# Altium PCB 智能马桶综合检测台V1.0.PcbDoc (part 8 of 10)
Units mil, origin at the board's own origin, x right, y up, seen from the top; angles counter-clockwise.
Board outline 8070.87 x 6102.36 mil, 2 copper layers (Top Layer, Bottom Layer); 199 components, 169 nets, 738 pads, 77 vias.
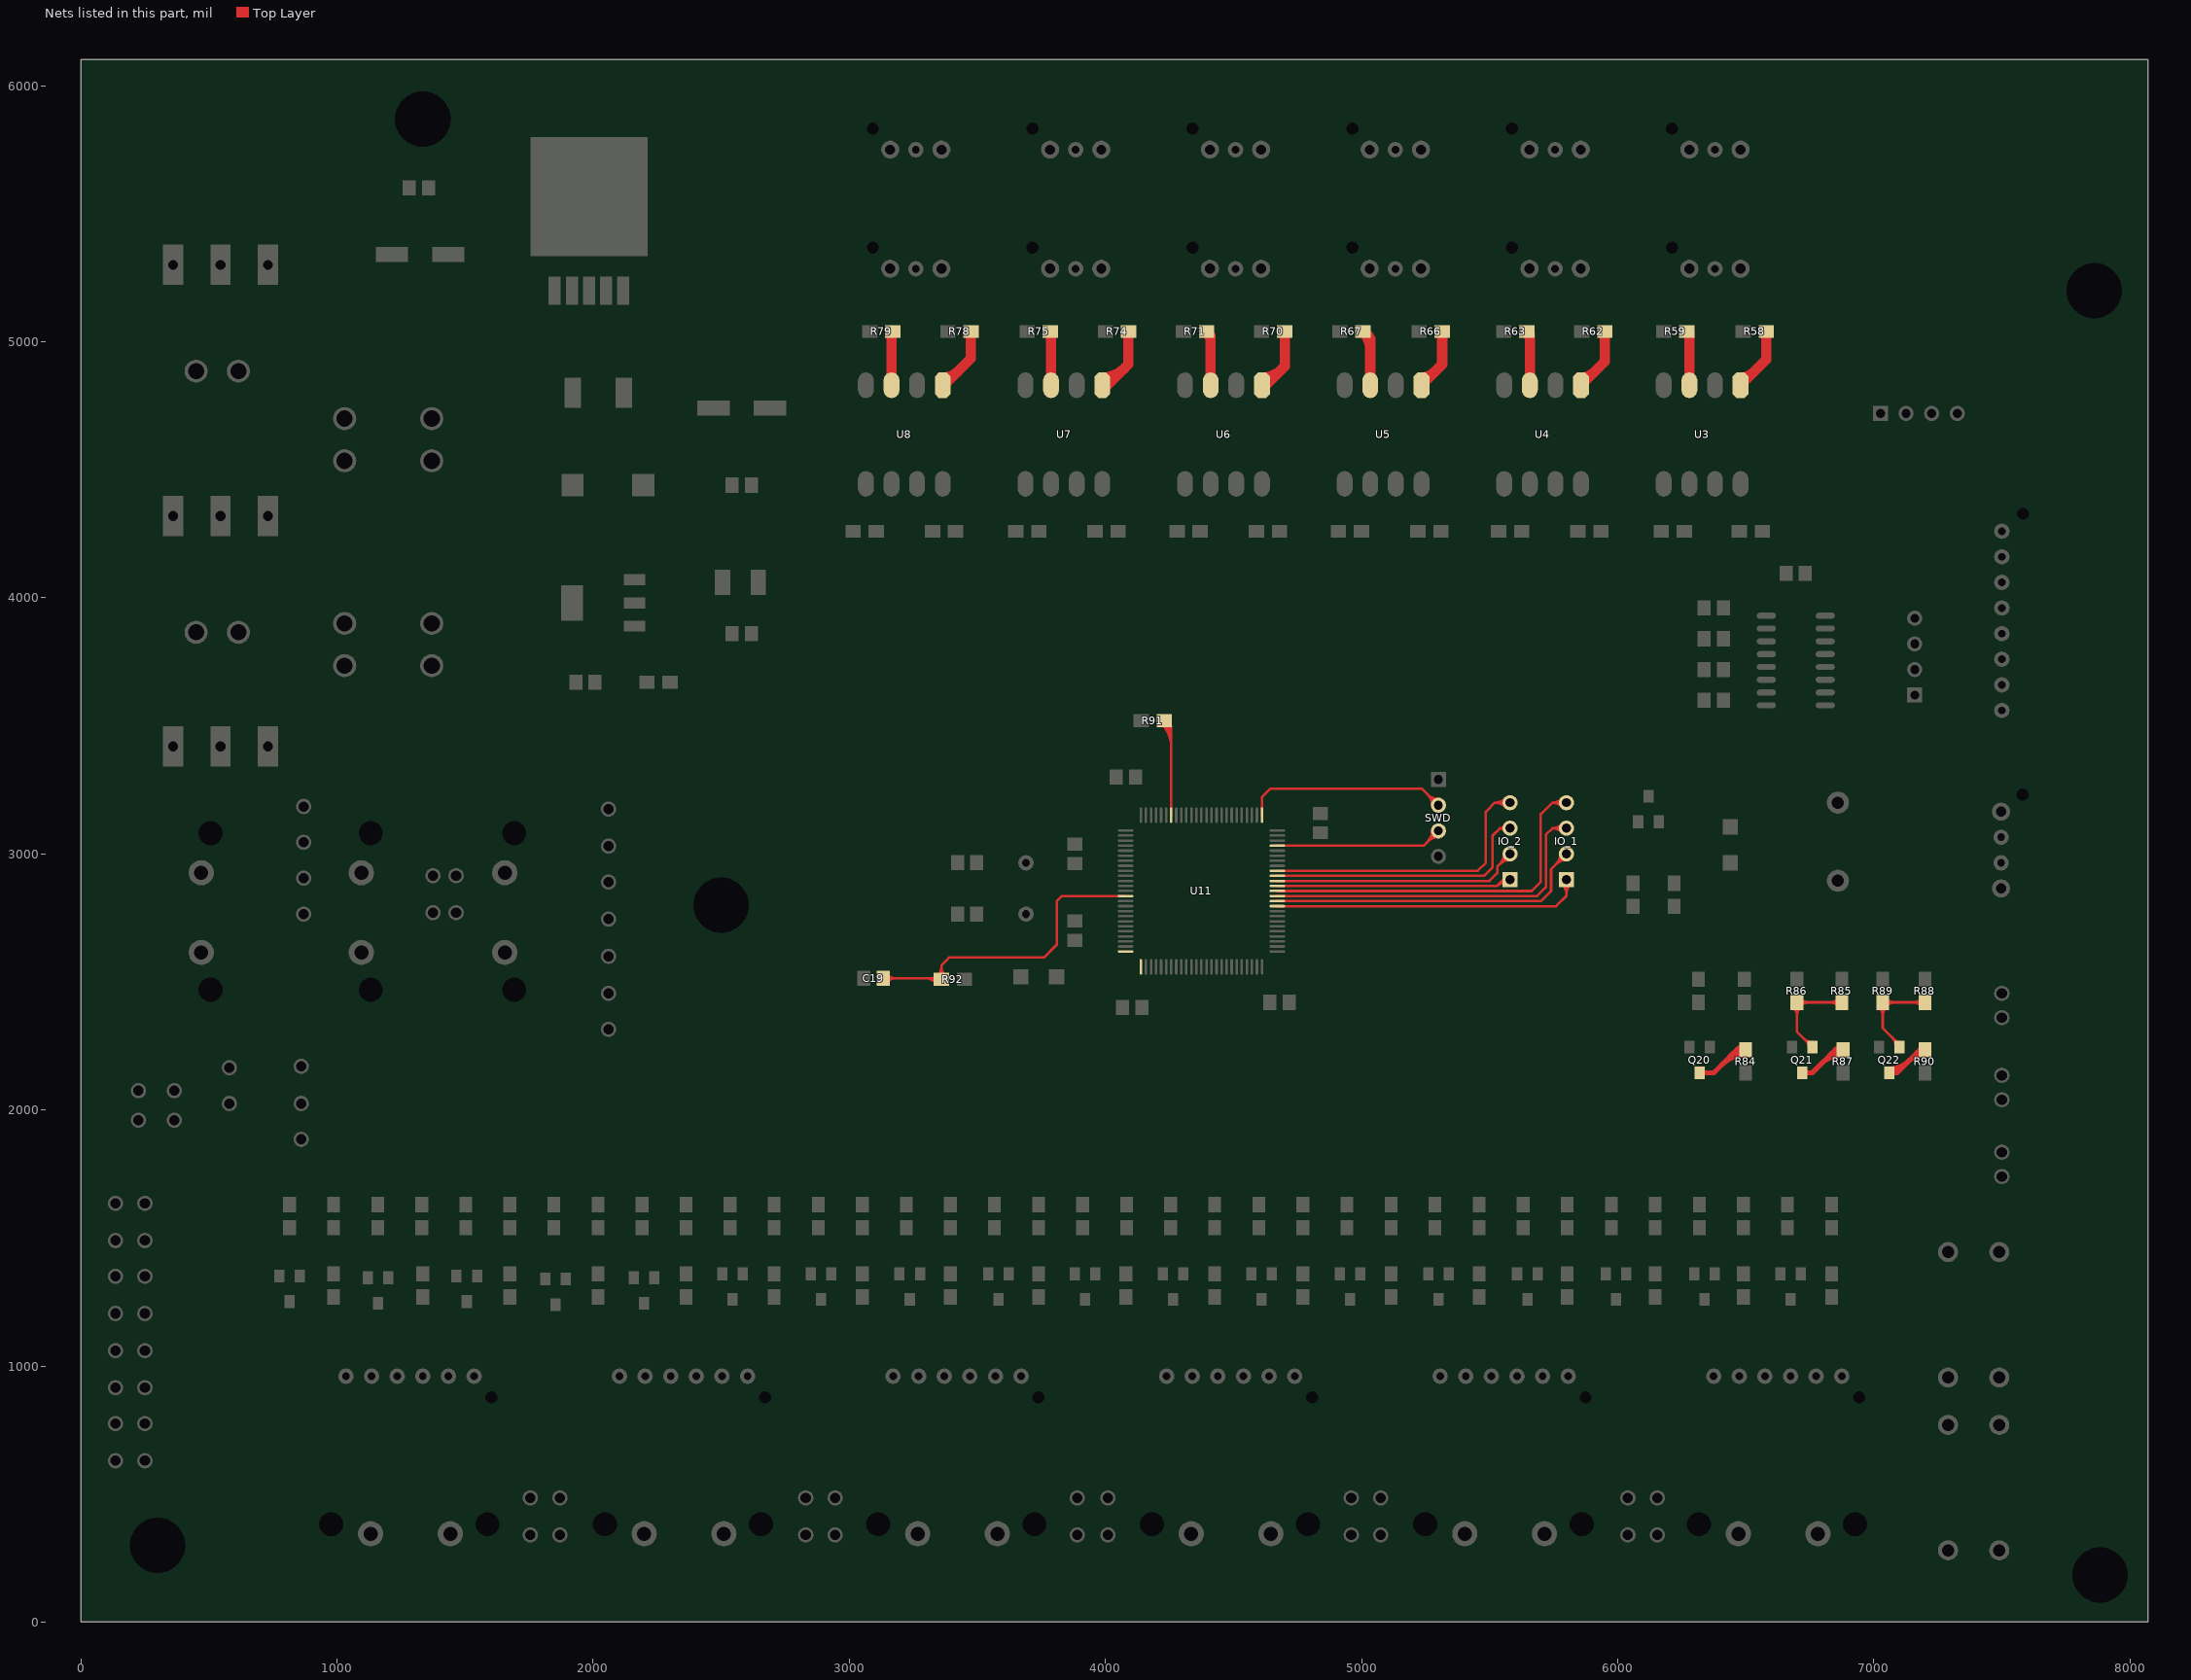
[diagram p8: the nets of this part, all layers, seen from the top]

## Via types
v1: diameter 40, hole 20, Top Layer to Bottom Layer, 68 vias
v2: diameter 50, hole 25, Top Layer to Bottom Layer, 9 vias

## Nets (pads, with @x,y where several pads share a name; then routed paths per layer and width w, separated by ;. In a path a pad name is that pad's centre, name@x,y a point inside that pad or via, vN(x,y) a via of type N, cw(c..) or ccw(c..) an arc to the next point about the centre after c; other vN are vias at no path point) (continued)
NetQ20_3: Q20.3 R84.2 | length 2327.5
  Top Layer w20: Q20.3@6320,2145 6375,2145 6465,2235 ; Q20.3@6327.07,2137.93 cw(c6344.14,2120.86) 6344.14,2145 ; Q20.3@6327.07,2137.93 cw(c6344.14,2120.86) 6344.14,2145 ; Q20.3@6327.07,2137.93 cw(c6344.14,2120.86) 6344.14,2145 ; Q20.3@6327.07,2137.93 cw(c6344.14,2120.86) 6344.14,2145 ; Q20.3@6327.07,2137.93 cw(c6344.14,2120.86) 6344.14,2145 ; Q20.3@6327.07,2137.93 cw(c6344.14,2120.86) 6344.14,2145 ; Q20.3@6327.07,2152.07 ccw(c6344.14,2169.14) 6344.14,2145 ; Q20.3@6327.07,2152.07 ccw(c6344.14,2169.14) 6344.14,2145 ; Q20.3@6327.07,2152.07 ccw(c6344.14,2169.14) 6344.14,2145 ; Q20.3@6327.07,2152.07 ccw(c6344.14,2169.14) 6344.14,2145 ; Q20.3@6327.07,2152.07 ccw(c6344.14,2169.14) 6344.14,2145 ; Q20.3@6327.07,2152.07 ccw(c6344.14,2169.14) 6344.14,2145 ; 6406.11,2176.11 cw(c6500,2082.22) R84.2@6500,2215 ; 6406.11,2176.11 cw(c6500,2082.22) R84.2@6500,2215 ; 6406.11,2176.11 cw(c6500,2082.22) R84.2@6500,2215 ; 6406.11,2176.11 cw(c6500,2082.22) R84.2@6500,2215 ; 6406.11,2176.11 cw(c6500,2082.22) R84.2@6500,2215 ; 6406.11,2176.11 cw(c6500,2082.22) R84.2@6500,2215 ; 6440.25,2210.25 cw(c6500,2150.5) R84.2@6500,2235 ; 6440.25,2210.25 cw(c6500,2150.5) R84.2@6500,2235 ; 6440.25,2210.25 cw(c6500,2150.5) R84.2@6500,2235 ; 6440.25,2210.25 cw(c6500,2150.5) R84.2@6500,2235 ; 6440.25,2210.25 cw(c6500,2150.5) R84.2@6500,2235 ; 6440.25,2210.25 cw(c6500,2150.5) R84.2@6500,2235 ; 6447.5,2217.5 cw(c6472.74,2192.26) R84.2@6491.93,2222.35 ; 6447.5,2217.5 cw(c6472.74,2192.26) R84.2@6491.93,2222.35 ; 6447.5,2217.5 cw(c6472.74,2192.26) R84.2@6491.93,2222.35 ; 6447.5,2217.5 cw(c6472.74,2192.26) R84.2@6491.93,2222.35 ; 6447.5,2217.5 cw(c6472.74,2192.26) R84.2@6491.93,2222.35 ; 6447.5,2217.5 cw(c6472.74,2192.26) R84.2@6491.93,2222.35 ; 6465,2235 cw(c6465,2201.67) R84.2@6489.14,2224.66 ; 6465,2235 ccw(c6465,2268.33) R84.2@6489.14,2245.34 ; 6465,2235 cw(c6465,2201.67) R84.2@6489.14,2224.66 ; 6465,2235 ccw(c6465,2268.33) R84.2@6489.14,2245.34 ; 6465,2235 cw(c6465,2201.67) R84.2@6489.14,2224.66 ; 6465,2235 ccw(c6465,2268.33) R84.2@6489.14,2245.34 ; 6465,2235 cw(c6465,2201.67) R84.2@6489.14,2224.66 ; 6465,2235 ccw(c6465,2268.33) R84.2@6489.14,2245.34 ; 6465,2235 cw(c6465,2201.67) R84.2@6489.14,2224.66 ; 6465,2235 ccw(c6465,2268.33) R84.2@6489.14,2245.34 ; 6465,2235 ccw(c6465,2268.33) R84.2@6489.14,2245.34 ; 6465,2235 cw(c6465,2201.67) R84.2@6489.14,2224.66 ; 6465,2235 R84.2@6500,2235 ; 6465.11,2235.11 cw(c6486.46,2213.77) R84.2@6502.69,2239.22 ; 6465.11,2235.11 cw(c6486.46,2213.77) R84.2@6502.69,2239.22 ; 6465.11,2235.11 cw(c6486.46,2213.77) R84.2@6502.69,2239.22 ; 6465.11,2235.11 cw(c6486.46,2213.77) R84.2@6502.69,2239.22 ; 6465.11,2235.11 cw(c6486.46,2213.77) R84.2@6502.69,2239.22 ; 6465.11,2235.11 cw(c6486.46,2213.77) R84.2@6502.69,2239.22
NetQ21_1: Q21.1 R85.2 R86.1 | length 2043.4
  Top Layer w10: Q21.1@6760,2245 6700,2305 R86.1@6700,2420 R85.2@6875,2420 ; R86.1@6685.86,2400.86 cw(c6651.72,2366.72) 6700,2366.72 ; R86.1@6685.86,2400.86 cw(c6651.72,2366.72) 6700,2366.72 ; R86.1@6685.86,2400.86 cw(c6651.72,2366.72) 6700,2366.72 ; R86.1@6685.86,2400.86 cw(c6651.72,2366.72) 6700,2366.72 ; R86.1@6685.86,2400.86 cw(c6651.72,2366.72) 6700,2366.72 ; R86.1@6685.86,2400.86 cw(c6651.72,2366.72) 6700,2366.72 ; 6700,2366.72 cw(c6748.28,2366.72) R86.1@6714.14,2400.86 ; 6700,2366.72 cw(c6748.28,2366.72) R86.1@6714.14,2400.86 ; 6700,2366.72 cw(c6748.28,2366.72) R86.1@6714.14,2400.86 ; 6700,2366.72 cw(c6748.28,2366.72) R86.1@6714.14,2400.86 ; 6700,2366.72 cw(c6748.28,2366.72) R86.1@6714.14,2400.86 ; 6700,2366.72 cw(c6748.28,2366.72) R86.1@6714.14,2400.86 ; R86.1@6714.14,2405.86 cw(c6748.28,2371.72) 6748.28,2420 ; R86.1@6714.14,2405.86 cw(c6748.28,2371.72) 6748.28,2420 ; R86.1@6714.14,2405.86 cw(c6748.28,2371.72) 6748.28,2420 ; R86.1@6714.14,2405.86 cw(c6748.28,2371.72) 6748.28,2420 ; R86.1@6714.14,2405.86 cw(c6748.28,2371.72) 6748.28,2420 ; R86.1@6714.14,2405.86 cw(c6748.28,2371.72) 6748.28,2420 ; R86.1@6714.14,2434.14 ccw(c6748.28,2468.28) 6748.28,2420 ; R86.1@6714.14,2434.14 ccw(c6748.28,2468.28) 6748.28,2420 ; R86.1@6714.14,2434.14 ccw(c6748.28,2468.28) 6748.28,2420 ; R86.1@6714.14,2434.14 ccw(c6748.28,2468.28) 6748.28,2420 ; R86.1@6714.14,2434.14 ccw(c6748.28,2468.28) 6748.28,2420 ; R86.1@6714.14,2434.14 ccw(c6748.28,2468.28) 6748.28,2420 ; 6725.86,2279.14 ccw(c6760,2313.28) Q21.1@6760,2265 ; 6725.86,2279.14 ccw(c6760,2313.28) Q21.1@6760,2265 ; 6725.86,2279.14 ccw(c6760,2313.28) Q21.1@6760,2265 ; 6725.86,2279.14 ccw(c6760,2313.28) Q21.1@6760,2265 ; 6737.93,2267.07 cw(c6720.86,2250) Q21.1@6745,2250 ; 6737.93,2267.07 cw(c6720.86,2250) Q21.1@6745,2250 ; 6737.93,2267.07 cw(c6720.86,2250) Q21.1@6745,2250 ; 6737.93,2267.07 cw(c6720.86,2250) Q21.1@6745,2250 ; Q21.1@6742.93,2262.07 ccw(c6760,2279.14) Q21.1@6760,2255 ; Q21.1@6742.93,2262.07 ccw(c6760,2279.14) Q21.1@6760,2255 ; Q21.1@6742.93,2262.07 ccw(c6760,2279.14) Q21.1@6760,2255 ; Q21.1@6742.93,2262.07 ccw(c6760,2279.14) Q21.1@6760,2255 ; 6826.72,2420 cw(c6826.72,2371.72) R85.2@6860.86,2405.86 ; 6826.72,2420 ccw(c6826.72,2468.28) R85.2@6860.86,2434.14 ; 6826.72,2420 cw(c6826.72,2371.72) R85.2@6860.86,2405.86 ; 6826.72,2420 ccw(c6826.72,2468.28) R85.2@6860.86,2434.14 ; 6826.72,2420 cw(c6826.72,2371.72) R85.2@6860.86,2405.86 ; 6826.72,2420 ccw(c6826.72,2468.28) R85.2@6860.86,2434.14 ; 6826.72,2420 cw(c6826.72,2371.72) R85.2@6860.86,2405.86 ; 6826.72,2420 ccw(c6826.72,2468.28) R85.2@6860.86,2434.14 ; 6826.72,2420 cw(c6826.72,2371.72) R85.2@6860.86,2405.86 ; 6826.72,2420 ccw(c6826.72,2468.28) R85.2@6860.86,2434.14 ; 6826.72,2420 ccw(c6826.72,2468.28) R85.2@6860.86,2434.14 ; 6826.72,2420 cw(c6826.72,2371.72) R85.2@6860.86,2405.86
NetQ21_3: Q21.3 R87.2 | length 2027.8
  Top Layer w20: Q21.3@6720,2145 6760,2145 6850,2235 ; Q21.3@6727.07,2137.93 cw(c6744.14,2120.86) 6744.14,2145 ; Q21.3@6727.07,2137.93 cw(c6744.14,2120.86) 6744.14,2145 ; Q21.3@6727.07,2137.93 cw(c6744.14,2120.86) 6744.14,2145 ; Q21.3@6727.07,2137.93 cw(c6744.14,2120.86) 6744.14,2145 ; Q21.3@6727.07,2137.93 cw(c6744.14,2120.86) 6744.14,2145 ; Q21.3@6727.07,2137.93 cw(c6744.14,2120.86) 6744.14,2145 ; Q21.3@6727.07,2152.07 ccw(c6744.14,2169.14) 6744.14,2145 ; Q21.3@6727.07,2152.07 ccw(c6744.14,2169.14) 6744.14,2145 ; Q21.3@6727.07,2152.07 ccw(c6744.14,2169.14) 6744.14,2145 ; Q21.3@6727.07,2152.07 ccw(c6744.14,2169.14) 6744.14,2145 ; Q21.3@6727.07,2152.07 ccw(c6744.14,2169.14) 6744.14,2145 ; Q21.3@6727.07,2152.07 ccw(c6744.14,2169.14) 6744.14,2145 ; 6794.64,2179.64 cw(c6880,2094.29) R87.2@6880,2215 ; 6794.64,2179.64 cw(c6880,2094.29) R87.2@6880,2215 ; 6794.64,2179.64 cw(c6880,2094.29) R87.2@6880,2215 ; 6794.64,2179.64 cw(c6880,2094.29) R87.2@6880,2215 ; 6794.64,2179.64 cw(c6880,2094.29) R87.2@6880,2215 ; 6794.64,2179.64 cw(c6880,2094.29) R87.2@6880,2215 ; 6828.79,2213.79 cw(c6880,2162.57) R87.2@6880,2235 ; 6828.79,2213.79 cw(c6880,2162.57) R87.2@6880,2235 ; 6828.79,2213.79 cw(c6880,2162.57) R87.2@6880,2235 ; 6828.79,2213.79 cw(c6880,2162.57) R87.2@6880,2235 ; 6828.79,2213.79 cw(c6880,2162.57) R87.2@6880,2235 ; 6828.79,2213.79 cw(c6880,2162.57) R87.2@6880,2235 ; 6835,2220 cw(c6854.77,2200.23) R87.2@6871.19,2222.86 ; 6835,2220 cw(c6854.77,2200.23) R87.2@6871.19,2222.86 ; 6835,2220 cw(c6854.77,2200.23) R87.2@6871.19,2222.86 ; 6835,2220 cw(c6854.77,2200.23) R87.2@6871.19,2222.86 ; 6835,2220 cw(c6854.77,2200.23) R87.2@6871.19,2222.86 ; 6835,2220 cw(c6854.77,2200.23) R87.2@6871.19,2222.86 ; 6850,2235 cw(c6850,2212.5) R87.2@6868,2226 ; 6850,2235 ccw(c6850,2257.5) R87.2@6868,2244 ; 6850,2235 cw(c6850,2212.5) R87.2@6868,2226 ; 6850,2235 ccw(c6850,2257.5) R87.2@6868,2244 ; 6850,2235 cw(c6850,2212.5) R87.2@6868,2226 ; 6850,2235 ccw(c6850,2257.5) R87.2@6868,2244 ; 6850,2235 cw(c6850,2212.5) R87.2@6868,2226 ; 6850,2235 ccw(c6850,2257.5) R87.2@6868,2244 ; 6850,2235 cw(c6850,2212.5) R87.2@6868,2226 ; 6850,2235 ccw(c6850,2257.5) R87.2@6868,2244 ; 6850,2235 ccw(c6850,2257.5) R87.2@6868,2244 ; 6850,2235 cw(c6850,2212.5) R87.2@6868,2226 ; 6850,2235 R87.2@6880,2235 ; 6851.57,2236.57 cw(c6868.7,2219.43) R87.2@6882.94,2239.05 ; 6851.57,2236.57 cw(c6868.7,2219.43) R87.2@6882.94,2239.05 ; 6851.57,2236.57 cw(c6868.7,2219.43) R87.2@6882.94,2239.05 ; 6851.57,2236.57 cw(c6868.7,2219.43) R87.2@6882.94,2239.05 ; 6851.57,2236.57 cw(c6868.7,2219.43) R87.2@6882.94,2239.05 ; 6851.57,2236.57 cw(c6868.7,2219.43) R87.2@6882.94,2239.05
NetQ22_1: Q22.1 R88.2 R89.1 | length 2177.2
  Top Layer w10: Q22.1@7100,2255 7035,2320 R89.1@7035,2420 R88.2@7200,2420 ; R89.1@7020.86,2400.86 cw(c6986.72,2366.72) 7035,2366.72 ; R89.1@7020.86,2400.86 cw(c6986.72,2366.72) 7035,2366.72 ; R89.1@7020.86,2400.86 cw(c6986.72,2366.72) 7035,2366.72 ; R89.1@7020.86,2400.86 cw(c6986.72,2366.72) 7035,2366.72 ; R89.1@7020.86,2400.86 cw(c6986.72,2366.72) 7035,2366.72 ; R89.1@7020.86,2400.86 cw(c6986.72,2366.72) 7035,2366.72 ; 7035,2366.72 cw(c7083.28,2366.72) R89.1@7049.14,2400.86 ; 7035,2366.72 cw(c7083.28,2366.72) R89.1@7049.14,2400.86 ; 7035,2366.72 cw(c7083.28,2366.72) R89.1@7049.14,2400.86 ; 7035,2366.72 cw(c7083.28,2366.72) R89.1@7049.14,2400.86 ; 7035,2366.72 cw(c7083.28,2366.72) R89.1@7049.14,2400.86 ; 7035,2366.72 cw(c7083.28,2366.72) R89.1@7049.14,2400.86 ; R89.1@7049.14,2405.86 cw(c7083.28,2371.72) 7083.28,2420 ; R89.1@7049.14,2405.86 cw(c7083.28,2371.72) 7083.28,2420 ; R89.1@7049.14,2405.86 cw(c7083.28,2371.72) 7083.28,2420 ; R89.1@7049.14,2405.86 cw(c7083.28,2371.72) 7083.28,2420 ; R89.1@7049.14,2405.86 cw(c7083.28,2371.72) 7083.28,2420 ; R89.1@7049.14,2405.86 cw(c7083.28,2371.72) 7083.28,2420 ; R89.1@7049.14,2434.14 ccw(c7083.28,2468.28) 7083.28,2420 ; R89.1@7049.14,2434.14 ccw(c7083.28,2468.28) 7083.28,2420 ; R89.1@7049.14,2434.14 ccw(c7083.28,2468.28) 7083.28,2420 ; R89.1@7049.14,2434.14 ccw(c7083.28,2468.28) 7083.28,2420 ; R89.1@7049.14,2434.14 ccw(c7083.28,2468.28) 7083.28,2420 ; R89.1@7049.14,2434.14 ccw(c7083.28,2468.28) 7083.28,2420 ; 7070.86,2284.14 cw(c7036.72,2250) Q22.1@7085,2250 ; 7070.86,2284.14 cw(c7036.72,2250) Q22.1@7085,2250 ; 7070.86,2284.14 cw(c7036.72,2250) Q22.1@7085,2250 ; 7070.86,2284.14 cw(c7036.72,2250) Q22.1@7085,2250 ; 7070.86,2284.14 cw(c7036.72,2250) Q22.1@7085,2250 ; 7070.86,2284.14 cw(c7036.72,2250) Q22.1@7085,2250 ; 7082.93,2272.07 ccw(c7100,2289.14) Q22.1@7100,2265 ; 7082.93,2272.07 ccw(c7100,2289.14) Q22.1@7100,2265 ; 7082.93,2272.07 ccw(c7100,2289.14) Q22.1@7100,2265 ; 7082.93,2272.07 ccw(c7100,2289.14) Q22.1@7100,2265 ; 7082.93,2272.07 ccw(c7100,2289.14) Q22.1@7100,2265 ; 7082.93,2272.07 ccw(c7100,2289.14) Q22.1@7100,2265 ; Q22.1@7087.93,2267.07 cw(c7070.86,2250) Q22.1@7095,2250 ; Q22.1@7087.93,2267.07 cw(c7070.86,2250) Q22.1@7095,2250 ; Q22.1@7087.93,2267.07 cw(c7070.86,2250) Q22.1@7095,2250 ; Q22.1@7087.93,2267.07 cw(c7070.86,2250) Q22.1@7095,2250 ; Q22.1@7087.93,2267.07 cw(c7070.86,2250) Q22.1@7095,2250 ; Q22.1@7087.93,2267.07 cw(c7070.86,2250) Q22.1@7095,2250 ; 7151.72,2420 cw(c7151.72,2371.72) R88.2@7185.86,2405.86 ; 7151.72,2420 ccw(c7151.72,2468.28) R88.2@7185.86,2434.14 ; 7151.72,2420 cw(c7151.72,2371.72) R88.2@7185.86,2405.86 ; 7151.72,2420 ccw(c7151.72,2468.28) R88.2@7185.86,2434.14 ; 7151.72,2420 cw(c7151.72,2371.72) R88.2@7185.86,2405.86 ; 7151.72,2420 ccw(c7151.72,2468.28) R88.2@7185.86,2434.14 ; 7151.72,2420 cw(c7151.72,2371.72) R88.2@7185.86,2405.86 ; 7151.72,2420 ccw(c7151.72,2468.28) R88.2@7185.86,2434.14 ; 7151.72,2420 cw(c7151.72,2371.72) R88.2@7185.86,2405.86 ; 7151.72,2420 ccw(c7151.72,2468.28) R88.2@7185.86,2434.14 ; 7151.72,2420 ccw(c7151.72,2468.28) R88.2@7185.86,2434.14 ; 7151.72,2420 cw(c7151.72,2371.72) R88.2@7185.86,2405.86
NetQ22_3: Q22.3 R90.2 | length 1390.8
  Top Layer w20: Q22.3@7060,2145 7090,2145 7180,2235 R90.2@7200,2235 ; Q22.3@7060,2140 ccw(c7060,2200.36) 7102.68,2157.68 ; Q22.3@7060,2140 ccw(c7060,2200.36) 7102.68,2157.68 ; Q22.3@7060,2140 ccw(c7060,2200.36) 7102.68,2157.68 ; Q22.3@7060,2140 ccw(c7060,2200.36) 7102.68,2157.68 ; Q22.3@7060,2160 ccw(c7060,2268.64) 7136.82,2191.82 ; Q22.3@7060,2160 ccw(c7060,2268.64) 7136.82,2191.82 ; Q22.3@7060,2160 ccw(c7060,2268.64) 7136.82,2191.82 ; Q22.3@7060,2160 ccw(c7060,2268.64) 7136.82,2191.82 ; Q22.3@7067.07,2137.93 cw(c7084.14,2120.86) 7084.14,2145 ; Q22.3@7067.07,2137.93 cw(c7084.14,2120.86) 7084.14,2145 ; Q22.3@7067.07,2137.93 cw(c7084.14,2120.86) 7084.14,2145 ; Q22.3@7067.07,2137.93 cw(c7084.14,2120.86) 7084.14,2145 ; Q22.3@7067.07,2137.93 cw(c7084.14,2120.86) 7084.14,2145 ; Q22.3@7067.07,2137.93 cw(c7084.14,2120.86) 7084.14,2145 ; Q22.3@7067.07,2152.07 ccw(c7084.14,2169.14) 7084.14,2145 ; Q22.3@7067.07,2152.07 ccw(c7084.14,2169.14) 7084.14,2145 ; Q22.3@7067.07,2152.07 ccw(c7084.14,2169.14) 7084.14,2145 ; Q22.3@7067.07,2152.07 ccw(c7084.14,2169.14) 7084.14,2145 ; Q22.3@7067.07,2152.07 ccw(c7084.14,2169.14) 7084.14,2145 ; Q22.3@7067.07,2152.07 ccw(c7084.14,2169.14) 7084.14,2145 ; 7131.72,2186.72 cw(c7200,2118.43) R90.2@7200,2215 ; 7131.72,2186.72 cw(c7200,2118.43) R90.2@7200,2215 ; 7131.72,2186.72 cw(c7200,2118.43) R90.2@7200,2215 ; 7131.72,2186.72 cw(c7200,2118.43) R90.2@7200,2215 ; 7165.86,2220.86 cw(c7200,2186.72) R90.2@7200,2235 ; 7165.86,2220.86 cw(c7200,2186.72) R90.2@7200,2235 ; 7165.86,2220.86 cw(c7200,2186.72) R90.2@7200,2235 ; 7165.86,2220.86 cw(c7200,2186.72) R90.2@7200,2235
NetR58_2: R58.2 U3.1 | length 592.7
  Top Layer w40: U3.1@6480,4830 6580,4930 R58.2@6580,5040 ; U3.1@6480,4860 ccw(c6480,4932.43) 6531.21,4881.21 ; U3.1@6480,4860 ccw(c6480,4932.43) 6531.21,4881.21 ; U3.1@6480,4860 ccw(c6480,4932.43) 6531.21,4881.21 ; U3.1@6480,4860 ccw(c6480,4932.43) 6531.21,4881.21 ; U3.1@6480,4860 ccw(c6480,4932.43) 6531.21,4881.21 ; U3.1@6480,4860 ccw(c6480,4932.43) 6531.21,4881.21
NetR59_2: R59.2 U3.3 | length 214.1
  Top Layer w40: R59.2@6270,5040 6280,5030 U3.3@6280,4830
NetR62_2: R62.2 U4.1 | length 589.8
  Top Layer w40: U4.1@5857,4830 5950,4923 R62.2@5950,5040 ; U4.1@5857,4860 ccw(c5857,4932.43) 5908.21,4881.21 ; U4.1@5857,4860 ccw(c5857,4932.43) 5908.21,4881.21 ; U4.1@5857,4860 ccw(c5857,4932.43) 5908.21,4881.21 ; U4.1@5857,4860 ccw(c5857,4932.43) 5908.21,4881.21 ; U4.1@5857,4860 ccw(c5857,4932.43) 5908.21,4881.21 ; U4.1@5857,4860 ccw(c5857,4932.43) 5908.21,4881.21
NetR63_2: R63.2 U4.3 | length 384.5
  Top Layer w40: R63.2@5645,5040 5657,5028 U4.3@5657,4830 ; R63.2@5646.46,5036.46 cw(c5621.03,5011.03) 5657,5011.03 ; R63.2@5646.46,5036.46 cw(c5621.03,5011.03) 5657,5011.03 ; R63.2@5646.46,5036.46 cw(c5621.03,5011.03) 5657,5011.03 ; R63.2@5646.46,5036.46 cw(c5621.03,5011.03) 5657,5011.03 ; R63.2@5646.46,5036.46 cw(c5621.03,5011.03) 5657,5011.03 ; R63.2@5646.46,5036.46 cw(c5621.03,5011.03) 5657,5011.03
NetR66_2: R66.2 U5.1 | length 584.9
  Top Layer w40: U5.1@5234,4830 5315,4911 R66.2@5315,5040 ; U5.1@5234,4860 ccw(c5234,4932.43) 5285.21,4881.21 ; U5.1@5234,4860 ccw(c5234,4932.43) 5285.21,4881.21 ; U5.1@5234,4860 ccw(c5234,4932.43) 5285.21,4881.21 ; U5.1@5234,4860 ccw(c5234,4932.43) 5285.21,4881.21 ; U5.1@5234,4860 ccw(c5234,4932.43) 5285.21,4881.21 ; U5.1@5234,4860 ccw(c5234,4932.43) 5285.21,4881.21
NetR67_2: R67.2 U5.3 | length 932.3
  Top Layer w40: R67.2@5005,5040 5034,5011 U5.3@5034,4830 ; R67.2@5006.46,5036.46 cw(c4939.99,4969.99) 5034,4969.99 ; R67.2@5006.46,5036.46 cw(c4939.99,4969.99) 5034,4969.99 ; R67.2@5006.46,5036.46 cw(c4939.99,4969.99) 5034,4969.99 ; R67.2@5006.46,5036.46 cw(c4939.99,4969.99) 5034,4969.99 ; R67.2@5006.46,5036.46 cw(c4939.99,4969.99) 5034,4969.99 ; R67.2@5006.46,5036.46 cw(c4939.99,4969.99) 5034,4969.99 ; R67.2@5008.72,5035.17 cw(c5000.07,5002.36) 5034,5002.36 ; R67.2@5008.72,5035.17 cw(c5000.07,5002.36) 5034,5002.36 ; R67.2@5008.72,5035.17 cw(c5000.07,5002.36) 5034,5002.36 ; R67.2@5008.72,5035.17 cw(c5000.07,5002.36) 5034,5002.36 ; R67.2@5008.72,5035.17 cw(c5000.07,5002.36) 5034,5002.36 ; R67.2@5008.72,5035.17 cw(c5000.07,5002.36) 5034,5002.36
NetR70_2: R70.2 U6.1 | length 752.6
  Top Layer w40: U6.1@4626,4830 4700,4904 R70.2@4700,5040 ; U6.1@4611,4860 ccw(c4611,4968.64) 4687.82,4891.82 ; U6.1@4611,4860 ccw(c4611,4968.64) 4687.82,4891.82 ; U6.1@4611,4860 ccw(c4611,4968.64) 4687.82,4891.82 ; U6.1@4611,4860 ccw(c4611,4968.64) 4687.82,4891.82 ; U6.1@4611,4860 ccw(c4611,4968.64) 4687.82,4891.82 ; U6.1@4611,4860 ccw(c4611,4968.64) 4687.82,4891.82
NetR71_2: R71.2 U6.3 | length 450.5
  Top Layer w40: R71.2@4395,5040 4411,5024 U6.3@4411,4830 ; R71.2@4396.46,5036.46 cw(c4361.37,5001.37) 4411,5001.37 ; R71.2@4396.46,5036.46 cw(c4361.37,5001.37) 4411,5001.37 ; R71.2@4396.46,5036.46 cw(c4361.37,5001.37) 4411,5001.37 ; R71.2@4396.46,5036.46 cw(c4361.37,5001.37) 4411,5001.37 ; R71.2@4396.46,5036.46 cw(c4361.37,5001.37) 4411,5001.37 ; R71.2@4396.46,5036.46 cw(c4361.37,5001.37) 4411,5001.37
NetR74_2: R74.2 U7.1 | length 832.8
  Top Layer w40: U7.1@3988,4830 4008,4830 4090,4912 R74.2@4090,5040 ; U7.1@3988,4860 ccw(c3988,4980.71) 4073.36,4895.36 ; U7.1@3988,4860 ccw(c3988,4980.71) 4073.36,4895.36 ; U7.1@3988,4860 ccw(c3988,4980.71) 4073.36,4895.36 ; U7.1@3988,4860 ccw(c3988,4980.71) 4073.36,4895.36 ; U7.1@3988,4860 ccw(c3988,4980.71) 4073.36,4895.36 ; U7.1@3988,4860 ccw(c3988,4980.71) 4073.36,4895.36
NetR75_2: R75.2 U7.3 | length 211.2
  Top Layer w40: R75.2@3785,5040 3788,5037 U7.3@3788,4830
NetR78_2: R78.2 U8.1 | length 656.7
  Top Layer w40: U8.1@3365,4830 3370,4830 3475,4935 R78.2@3475,5040 ; U8.1@3365,4860 ccw(c3365,4944.5) 3424.75,4884.75 ; U8.1@3365,4860 ccw(c3365,4944.5) 3424.75,4884.75 ; U8.1@3365,4860 ccw(c3365,4944.5) 3424.75,4884.75 ; U8.1@3365,4860 ccw(c3365,4944.5) 3424.75,4884.75 ; U8.1@3365,4860 ccw(c3365,4944.5) 3424.75,4884.75 ; U8.1@3365,4860 ccw(c3365,4944.5) 3424.75,4884.75
NetR79_2: R79.2 U8.3 | length 212.1
  Top Layer w40: U8.3@3165,4830 3165,5035 R79.2@3170,5040
NetR91_1: R91.1 U11.94 | length 1601.6
  Top Layer w10: R91.1@4230,3520 4256.89,3493.11 U11.94@4256.89,3151.26 ; R91.1@4220.86,3505.86 cw(c4133.87,3418.87) 4256.89,3418.87 ; R91.1@4220.86,3505.86 cw(c4133.87,3418.87) 4256.89,3418.87 ; R91.1@4220.86,3505.86 cw(c4133.87,3418.87) 4256.89,3418.87 ; R91.1@4220.86,3505.86 cw(c4133.87,3418.87) 4256.89,3418.87 ; R91.1@4227.93,3512.93 cw(c4158.01,3443.01) 4256.89,3443.01 ; R91.1@4227.93,3512.93 cw(c4158.01,3443.01) 4256.89,3443.01 ; R91.1@4227.93,3512.93 cw(c4158.01,3443.01) 4256.89,3443.01 ; R91.1@4227.93,3512.93 cw(c4158.01,3443.01) 4256.89,3443.01 ; R91.1@4235,3520 cw(c4182.15,3467.15) 4256.89,3467.15 ; R91.1@4235,3520 cw(c4182.15,3467.15) 4256.89,3467.15 ; R91.1@4235,3520 cw(c4182.15,3467.15) 4256.89,3467.15 ; R91.1@4235,3520 cw(c4182.15,3467.15) 4256.89,3467.15 ; R91.1@4238.82,3500.37 cw(c4242.13,3483.36) R91.1@4254.39,3495.61 ; R91.1@4238.82,3500.37 cw(c4242.13,3483.36) R91.1@4254.39,3495.61 ; R91.1@4238.82,3500.37 cw(c4242.13,3483.36) R91.1@4254.39,3495.61 ; R91.1@4238.82,3500.37 cw(c4242.13,3483.36) R91.1@4254.39,3495.61 ; R91.1@4242.07,3527.07 cw(c4206.3,3491.3) 4256.89,3491.3 ; R91.1@4242.07,3527.07 cw(c4206.3,3491.3) 4256.89,3491.3 ; R91.1@4242.07,3527.07 cw(c4206.3,3491.3) 4256.89,3491.3 ; R91.1@4242.07,3527.07 cw(c4206.3,3491.3) 4256.89,3491.3 ; R91.1@4252.41,3510.15 ccw(c4262.96,3504.18) R91.1@4254.39,3495.61 ; R91.1@4252.41,3510.15 ccw(c4262.96,3504.18) R91.1@4254.39,3495.61 ; R91.1@4252.41,3510.15 ccw(c4262.96,3504.18) R91.1@4254.39,3495.61 ; R91.1@4252.41,3510.15 ccw(c4262.96,3504.18) R91.1@4254.39,3495.61
NRST: C19.1 R92.1 U11.14 | length 2227.2
  Top Layer w10: C19.1@3132.4,2514.01 3355.99,2514.01 R92.1@3360,2510 3360,2565 3390,2595 3760,2595 3810,2645 3810,2815 3830.31,2835.32 U11.14@4078.74,2835.32 ; C19.1@3146.96,2499.45 cw(c3182.11,2464.3) 3182.11,2514.01 ; C19.1@3146.96,2499.45 cw(c3182.11,2464.3) 3182.11,2514.01 ; C19.1@3146.96,2499.45 cw(c3182.11,2464.3) 3182.11,2514.01 ; C19.1@3146.96,2499.45 cw(c3182.11,2464.3) 3182.11,2514.01 ; C19.1@3146.96,2499.45 cw(c3182.11,2464.3) 3182.11,2514.01 ; C19.1@3146.96,2499.45 cw(c3182.11,2464.3) 3182.11,2514.01 ; C19.1@3146.96,2528.57 ccw(c3182.11,2563.72) 3182.11,2514.01 ; C19.1@3146.96,2528.57 ccw(c3182.11,2563.72) 3182.11,2514.01 ; C19.1@3146.96,2528.57 ccw(c3182.11,2563.72) 3182.11,2514.01 ; C19.1@3146.96,2528.57 ccw(c3182.11,2563.72) 3182.11,2514.01 ; C19.1@3146.96,2528.57 ccw(c3182.11,2563.72) 3182.11,2514.01 ; C19.1@3146.96,2528.57 ccw(c3182.11,2563.72) 3182.11,2514.01 ; 3297.04,2514.01 cw(c3297.04,2452.04) R92.1@3340.86,2495.86 ; 3297.04,2514.01 cw(c3297.04,2452.04) R92.1@3340.86,2495.86 ; 3297.04,2514.01 cw(c3297.04,2452.04) R92.1@3340.86,2495.86 ; 3316.39,2514.01 ccw(c3316.39,2548.61) R92.1@3340.86,2524.14 ; 3316.39,2514.01 ccw(c3316.39,2548.61) R92.1@3340.86,2524.14 ; 3316.39,2514.01 ccw(c3316.39,2548.61) R92.1@3340.86,2524.14 ; 3321.19,2514.01 cw(c3321.19,2476.19) R92.1@3347.93,2502.93 ; 3321.19,2514.01 cw(c3321.19,2476.19) R92.1@3347.93,2502.93 ; 3321.19,2514.01 cw(c3321.19,2476.19) R92.1@3347.93,2502.93 ; R92.1@3345.86,2524.14 ccw(c3311.72,2558.28) 3360,2558.28 ; R92.1@3345.86,2524.14 ccw(c3311.72,2558.28) 3360,2558.28 ; R92.1@3345.86,2524.14 ccw(c3311.72,2558.28) 3360,2558.28 ; 3360,2558.28 ccw(c3408.28,2558.28) R92.1@3374.14,2524.14 ; 3360,2558.28 ccw(c3408.28,2558.28) R92.1@3374.14,2524.14 ; 3360,2558.28 ccw(c3408.28,2558.28) R92.1@3374.14,2524.14
PA8: IO_2.4 U11.67 | length 2024.8
  Top Layer w10: U11.67@4671.26,2933.74 5453.74,2933.74 5485,2965 5485,3165 5520,3200 IO_2.4@5580,3200 ; 5520.79,3200 cw(c5520.79,3140.79) IO_2.4@5562.66,3182.66 ; 5520.79,3200 ccw(c5520.79,3259.21) IO_2.4@5562.66,3217.34 ; 5520.79,3200 cw(c5520.79,3140.79) IO_2.4@5562.66,3182.66 ; 5520.79,3200 ccw(c5520.79,3259.21) IO_2.4@5562.66,3217.34 ; 5520.79,3200 cw(c5520.79,3140.79) IO_2.4@5562.66,3182.66 ; 5520.79,3200 ccw(c5520.79,3259.21) IO_2.4@5562.66,3217.34 ; 5520.79,3200 cw(c5520.79,3140.79) IO_2.4@5562.66,3182.66 ; 5520.79,3200 ccw(c5520.79,3259.21) IO_2.4@5562.66,3217.34 ; 5520.79,3200 cw(c5520.79,3140.79) IO_2.4@5562.66,3182.66 ; 5520.79,3200 ccw(c5520.79,3259.21) IO_2.4@5562.66,3217.34 ; 5520.79,3200 ccw(c5520.79,3259.21) IO_2.4@5562.66,3217.34 ; 5520.79,3200 cw(c5520.79,3140.79) IO_2.4@5562.66,3182.66 ; 5544.93,3200 cw(c5544.93,3164.93) IO_2.4@5569.73,3189.73 ; 5544.93,3200 ccw(c5544.93,3235.07) IO_2.4@5569.73,3210.27 ; 5544.93,3200 cw(c5544.93,3164.93) IO_2.4@5569.73,3189.73 ; 5544.93,3200 ccw(c5544.93,3235.07) IO_2.4@5569.73,3210.27 ; 5544.93,3200 cw(c5544.93,3164.93) IO_2.4@5569.73,3189.73 ; 5544.93,3200 ccw(c5544.93,3235.07) IO_2.4@5569.73,3210.27 ; 5544.93,3200 cw(c5544.93,3164.93) IO_2.4@5569.73,3189.73 ; 5544.93,3200 ccw(c5544.93,3235.07) IO_2.4@5569.73,3210.27 ; 5544.93,3200 cw(c5544.93,3164.93) IO_2.4@5569.73,3189.73 ; 5544.93,3200 ccw(c5544.93,3235.07) IO_2.4@5569.73,3210.27 ; 5544.93,3200 ccw(c5544.93,3235.07) IO_2.4@5569.73,3210.27 ; 5544.93,3200 cw(c5544.93,3164.93) IO_2.4@5569.73,3189.73
PC6: IO_1.4 U11.63 | length 2218.7
  Top Layer w10: U11.63@4671.26,2855 5665,2855 5700,2890 5700,3155 5745,3200 ; IO_1.4@5800,3200 5745,3200 ; 5745,3200 cw(c5745,3150.61) IO_1.4@5781.75,3183.61 ; 5745,3200 ccw(c5745,3249.39) IO_1.4@5781.75,3216.39 ; 5745,3200 cw(c5745,3150.61) IO_1.4@5781.75,3183.61 ; 5745,3200 ccw(c5745,3249.39) IO_1.4@5781.75,3216.39 ; 5745,3200 cw(c5745,3150.61) IO_1.4@5781.75,3183.61 ; 5745,3200 ccw(c5745,3249.39) IO_1.4@5781.75,3216.39 ; 5745,3200 cw(c5745,3150.61) IO_1.4@5781.75,3183.61 ; 5745,3200 ccw(c5745,3249.39) IO_1.4@5781.75,3216.39 ; 5745,3200 cw(c5745,3150.61) IO_1.4@5781.75,3183.61 ; 5745,3200 ccw(c5745,3249.39) IO_1.4@5781.75,3216.39 ; 5745,3200 ccw(c5745,3249.39) IO_1.4@5781.75,3216.39 ; 5745,3200 cw(c5745,3150.61) IO_1.4@5781.75,3183.61 ; 5767.43,3200 cw(c5767.43,3170.74) IO_1.4@5789.19,3190.29 ; 5767.43,3200 ccw(c5767.43,3229.26) IO_1.4@5789.19,3209.71 ; 5767.43,3200 cw(c5767.43,3170.74) IO_1.4@5789.19,3190.29 ; 5767.43,3200 ccw(c5767.43,3229.26) IO_1.4@5789.19,3209.71 ; 5767.43,3200 cw(c5767.43,3170.74) IO_1.4@5789.19,3190.29 ; 5767.43,3200 ccw(c5767.43,3229.26) IO_1.4@5789.19,3209.71 ; 5767.43,3200 cw(c5767.43,3170.74) IO_1.4@5789.19,3190.29 ; 5767.43,3200 ccw(c5767.43,3229.26) IO_1.4@5789.19,3209.71 ; 5767.43,3200 cw(c5767.43,3170.74) IO_1.4@5789.19,3190.29 ; 5767.43,3200 ccw(c5767.43,3229.26) IO_1.4@5789.19,3209.71 ; 5767.43,3200 ccw(c5767.43,3229.26) IO_1.4@5789.19,3209.71 ; 5767.43,3200 cw(c5767.43,3170.74) IO_1.4@5789.19,3190.29
PC7: IO_2.1 U11.64 | length 1285.3
  Top Layer w10: U11.64@4671.26,2874.69 5529.69,2874.69 5555,2900 IO_2.1@5580,2900 ; 5529.11,2874.11 cw(c5562.58,2840.63) IO_2.1@5575.91,2886.06 ; 5529.11,2874.11 cw(c5562.58,2840.63) IO_2.1@5575.91,2886.06 ; 5529.11,2874.11 cw(c5562.58,2840.63) IO_2.1@5575.91,2886.06 ; 5529.11,2874.11 cw(c5562.58,2840.63) IO_2.1@5575.91,2886.06 ; 5541.03,2886.03 cw(c5567.99,2859.07) IO_2.1@5578.73,2895.66 ; 5541.03,2886.03 cw(c5567.99,2859.07) IO_2.1@5578.73,2895.66 ; 5541.03,2886.03 cw(c5567.99,2859.07) IO_2.1@5578.73,2895.66 ; 5541.03,2886.03 cw(c5567.99,2859.07) IO_2.1@5578.73,2895.66
PC8: IO_2.2 U11.65 | length 1559.6
  Top Layer w10: U11.65@4671.26,2894.37 5499.37,2894.37 5530,2925 5530,2950 IO_2.2@5580,3000 ; 5538.13,2958.13 cw(c5580,2916.26) IO_2.2@5580,2975.47 ; 5538.13,2958.13 ccw(c5496.26,3000) IO_2.2@5555.47,3000 ; 5538.13,2958.13 cw(c5580,2916.26) IO_2.2@5580,2975.47 ; 5538.13,2958.13 ccw(c5496.26,3000) IO_2.2@5555.47,3000 ; 5538.13,2958.13 cw(c5580,2916.26) IO_2.2@5580,2975.47 ; 5538.13,2958.13 ccw(c5496.26,3000) IO_2.2@5555.47,3000 ; 5538.13,2958.13 ccw(c5496.26,3000) IO_2.2@5555.47,3000 ; 5538.13,2958.13 cw(c5580,2916.26) IO_2.2@5580,2975.47 ; 5555.2,2975.2 cw(c5580,2950.4) IO_2.2@5580,2985.47 ; 5555.2,2975.2 ccw(c5530.4,3000) IO_2.2@5565.47,3000 ; 5555.2,2975.2 cw(c5580,2950.4) IO_2.2@5580,2985.47 ; 5555.2,2975.2 ccw(c5530.4,3000) IO_2.2@5565.47,3000 ; 5555.2,2975.2 cw(c5580,2950.4) IO_2.2@5580,2985.47 ; 5555.2,2975.2 ccw(c5530.4,3000) IO_2.2@5565.47,3000 ; 5555.2,2975.2 ccw(c5530.4,3000) IO_2.2@5565.47,3000 ; 5555.2,2975.2 cw(c5580,2950.4) IO_2.2@5580,2985.47
PC9: IO_2.3 U11.66 | length 1327.6
  Top Layer w10: U11.66@4671.26,2914.06 5479.06,2914.06 5512.13,2947.13 5512.13,3072.13 5540,3100 ; IO_2.3@5580,3100 5540,3100 ; 5540,3100 cw(c5540,3079.65) IO_2.3@5558.14,3088.88 ; 5540,3100 ccw(c5540,3120.35) IO_2.3@5558.14,3111.12 ; 5540,3100 cw(c5540,3079.65) IO_2.3@5558.14,3088.88 ; 5540,3100 ccw(c5540,3120.35) IO_2.3@5558.14,3111.12 ; 5540,3100 cw(c5540,3079.65) IO_2.3@5558.14,3088.88 ; 5540,3100 ccw(c5540,3120.35) IO_2.3@5558.14,3111.12 ; 5540,3100 cw(c5540,3079.65) IO_2.3@5558.14,3088.88 ; 5540,3100 ccw(c5540,3120.35) IO_2.3@5558.14,3111.12 ; 5540,3100 cw(c5540,3079.65) IO_2.3@5558.14,3088.88 ; 5540,3100 ccw(c5540,3120.35) IO_2.3@5558.14,3111.12 ; 5540,3100 ccw(c5540,3120.35) IO_2.3@5558.14,3111.12 ; 5540,3100 cw(c5540,3079.65) IO_2.3@5558.14,3088.88
PD13: IO_1.1 U11.60 | length 2099.3
  Top Layer w10: U11.60@4671.26,2795.94 4672.2,2795 5760,2795 5800,2835 IO_1.1@5800,2900 ; IO_1.1@5782.66,2882.66 cw(c5740.79,2840.79) 5800,2840.79 ; IO_1.1@5782.66,2882.66 cw(c5740.79,2840.79) 5800,2840.79 ; IO_1.1@5782.66,2882.66 cw(c5740.79,2840.79) 5800,2840.79 ; IO_1.1@5782.66,2882.66 cw(c5740.79,2840.79) 5800,2840.79 ; IO_1.1@5782.66,2882.66 cw(c5740.79,2840.79) 5800,2840.79 ; IO_1.1@5782.66,2882.66 cw(c5740.79,2840.79) 5800,2840.79 ; IO_1.1@5789.73,2889.73 cw(c5764.93,2864.93) 5800,2864.93 ; IO_1.1@5789.73,2889.73 cw(c5764.93,2864.93) 5800,2864.93 ; IO_1.1@5789.73,2889.73 cw(c5764.93,2864.93) 5800,2864.93 ; IO_1.1@5789.73,2889.73 cw(c5764.93,2864.93) 5800,2864.93 ; IO_1.1@5789.73,2889.73 cw(c5764.93,2864.93) 5800,2864.93 ; IO_1.1@5789.73,2889.73 cw(c5764.93,2864.93) 5800,2864.93 ; 5800,2840.79 cw(c5859.21,2840.79) IO_1.1@5817.34,2882.66 ; 5800,2840.79 cw(c5859.21,2840.79) IO_1.1@5817.34,2882.66 ; 5800,2840.79 cw(c5859.21,2840.79) IO_1.1@5817.34,2882.66 ; 5800,2840.79 cw(c5859.21,2840.79) IO_1.1@5817.34,2882.66 ; 5800,2840.79 cw(c5859.21,2840.79) IO_1.1@5817.34,2882.66 ; 5800,2840.79 cw(c5859.21,2840.79) IO_1.1@5817.34,2882.66 ; 5800,2864.93 cw(c5835.07,2864.93) IO_1.1@5810.27,2889.73 ; 5800,2864.93 cw(c5835.07,2864.93) IO_1.1@5810.27,2889.73 ; 5800,2864.93 cw(c5835.07,2864.93) IO_1.1@5810.27,2889.73 ; 5800,2864.93 cw(c5835.07,2864.93) IO_1.1@5810.27,2889.73 ; 5800,2864.93 cw(c5835.07,2864.93) IO_1.1@5810.27,2889.73 ; 5800,2864.93 cw(c5835.07,2864.93) IO_1.1@5810.27,2889.73
PD14: IO_1.2 U11.61 | length 2143.5
  Top Layer w10: U11.61@4671.26,2815.63 5700.63,2815.63 5740,2855 5740,2940 IO_1.2@5800,3000 ; 5758.13,2958.13 cw(c5800,2916.26) IO_1.2@5800,2975.47 ; 5758.13,2958.13 ccw(c5716.26,3000) IO_1.2@5775.47,3000 ; 5758.13,2958.13 cw(c5800,2916.26) IO_1.2@5800,2975.47 ; 5758.13,2958.13 ccw(c5716.26,3000) IO_1.2@5775.47,3000 ; 5758.13,2958.13 cw(c5800,2916.26) IO_1.2@5800,2975.47 ; 5758.13,2958.13 ccw(c5716.26,3000) IO_1.2@5775.47,3000 ; 5758.13,2958.13 cw(c5800,2916.26) IO_1.2@5800,2975.47 ; 5758.13,2958.13 ccw(c5716.26,3000) IO_1.2@5775.47,3000 ; 5758.13,2958.13 cw(c5800,2916.26) IO_1.2@5800,2975.47 ; 5758.13,2958.13 ccw(c5716.26,3000) IO_1.2@5775.47,3000 ; 5758.13,2958.13 ccw(c5716.26,3000) IO_1.2@5775.47,3000 ; 5758.13,2958.13 cw(c5800,2916.26) IO_1.2@5800,2975.47 ; 5775.2,2975.2 cw(c5800,2950.4) IO_1.2@5800,2985.47 ; 5775.2,2975.2 ccw(c5750.4,3000) IO_1.2@5785.47,3000 ; 5775.2,2975.2 cw(c5800,2950.4) IO_1.2@5800,2985.47 ; 5775.2,2975.2 ccw(c5750.4,3000) IO_1.2@5785.47,3000 ; 5775.2,2975.2 cw(c5800,2950.4) IO_1.2@5800,2985.47 ; 5775.2,2975.2 ccw(c5750.4,3000) IO_1.2@5785.47,3000 ; 5775.2,2975.2 cw(c5800,2950.4) IO_1.2@5800,2985.47 ; 5775.2,2975.2 ccw(c5750.4,3000) IO_1.2@5785.47,3000 ; 5775.2,2975.2 cw(c5800,2950.4) IO_1.2@5800,2985.47 ; 5775.2,2975.2 ccw(c5750.4,3000) IO_1.2@5785.47,3000 ; 5775.2,2975.2 ccw(c5750.4,3000) IO_1.2@5785.47,3000 ; 5775.2,2975.2 cw(c5800,2950.4) IO_1.2@5800,2985.47
PD15: IO_1.3 U11.62 | length 2150.3
  Top Layer w10: U11.62@4671.26,2835.32 5685.31,2835.32 5720,2870 5720,3075 5745,3100 ; IO_1.3@5800,3100 5745,3100 ; 5745,3100 cw(c5745,3050.61) IO_1.3@5781.75,3083.61 ; 5745,3100 ccw(c5745,3149.39) IO_1.3@5781.75,3116.39 ; 5745,3100 cw(c5745,3050.61) IO_1.3@5781.75,3083.61 ; 5745,3100 ccw(c5745,3149.39) IO_1.3@5781.75,3116.39 ; 5745,3100 cw(c5745,3050.61) IO_1.3@5781.75,3083.61 ; 5745,3100 ccw(c5745,3149.39) IO_1.3@5781.75,3116.39 ; 5745,3100 cw(c5745,3050.61) IO_1.3@5781.75,3083.61 ; 5745,3100 ccw(c5745,3149.39) IO_1.3@5781.75,3116.39 ; 5745,3100 cw(c5745,3050.61) IO_1.3@5781.75,3083.61 ; 5745,3100 ccw(c5745,3149.39) IO_1.3@5781.75,3116.39 ; 5745,3100 ccw(c5745,3149.39) IO_1.3@5781.75,3116.39 ; 5745,3100 cw(c5745,3050.61) IO_1.3@5781.75,3083.61 ; 5767.43,3100 cw(c5767.43,3070.74) IO_1.3@5789.19,3090.29 ; 5767.43,3100 ccw(c5767.43,3129.26) IO_1.3@5789.19,3109.71 ; 5767.43,3100 cw(c5767.43,3070.74) IO_1.3@5789.19,3090.29 ; 5767.43,3100 ccw(c5767.43,3129.26) IO_1.3@5789.19,3109.71 ; 5767.43,3100 cw(c5767.43,3070.74) IO_1.3@5789.19,3090.29 ; 5767.43,3100 ccw(c5767.43,3129.26) IO_1.3@5789.19,3109.71 ; 5767.43,3100 cw(c5767.43,3070.74) IO_1.3@5789.19,3090.29 ; 5767.43,3100 ccw(c5767.43,3129.26) IO_1.3@5789.19,3109.71 ; 5767.43,3100 cw(c5767.43,3070.74) IO_1.3@5789.19,3090.29 ; 5767.43,3100 ccw(c5767.43,3129.26) IO_1.3@5789.19,3109.71 ; 5767.43,3100 ccw(c5767.43,3129.26) IO_1.3@5789.19,3109.71 ; 5767.43,3100 cw(c5767.43,3070.74) IO_1.3@5789.19,3090.29
RXD2: U11.26
SWCLK: SWD.2 U11.76 | length 1688.3
  Top Layer w10: U11.76@4611.22,3151.26 4611.22,3221.22 4645,3255 5235,3255 SWD.2@5300,3190 ; 5258.13,3231.87 cw(c5216.26,3190) SWD.2@5275.47,3190 ; 5258.13,3231.87 ccw(c5300,3273.74) SWD.2@5300,3214.53 ; 5258.13,3231.87 cw(c5216.26,3190) SWD.2@5275.47,3190 ; 5258.13,3231.87 ccw(c5300,3273.74) SWD.2@5300,3214.53 ; 5258.13,3231.87 cw(c5216.26,3190) SWD.2@5275.47,3190 ; 5258.13,3231.87 ccw(c5300,3273.74) SWD.2@5300,3214.53 ; 5258.13,3231.87 cw(c5216.26,3190) SWD.2@5275.47,3190 ; 5258.13,3231.87 ccw(c5300,3273.74) SWD.2@5300,3214.53 ; 5258.13,3231.87 cw(c5216.26,3190) SWD.2@5275.47,3190 ; 5258.13,3231.87 ccw(c5300,3273.74) SWD.2@5300,3214.53 ; 5258.13,3231.87 ccw(c5300,3273.74) SWD.2@5300,3214.53 ; 5258.13,3231.87 cw(c5216.26,3190) SWD.2@5275.47,3190 ; 5275.2,3214.8 cw(c5250.4,3190) SWD.2@5285.47,3190 ; 5275.2,3214.8 ccw(c5300,3239.6) SWD.2@5300,3204.53 ; 5275.2,3214.8 cw(c5250.4,3190) SWD.2@5285.47,3190 ; 5275.2,3214.8 ccw(c5300,3239.6) SWD.2@5300,3204.53 ; 5275.2,3214.8 cw(c5250.4,3190) SWD.2@5285.47,3190 ; 5275.2,3214.8 ccw(c5300,3239.6) SWD.2@5300,3204.53 ; 5275.2,3214.8 cw(c5250.4,3190) SWD.2@5285.47,3190 ; 5275.2,3214.8 ccw(c5300,3239.6) SWD.2@5300,3204.53 ; 5275.2,3214.8 cw(c5250.4,3190) SWD.2@5285.47,3190 ; 5275.2,3214.8 ccw(c5300,3239.6) SWD.2@5300,3204.53 ; 5275.2,3214.8 ccw(c5300,3239.6) SWD.2@5300,3204.53 ; 5275.2,3214.8 cw(c5250.4,3190) SWD.2@5285.47,3190
SWDIO: SWD.3 U11.72 | length 1541.3
  Top Layer w10: U11.72@4671.26,3032.17 5242.17,3032.17 SWD.3@5300,3090 ; 5258.13,3048.13 cw(c5300,3006.26) SWD.3@5300,3065.47 ; 5258.13,3048.13 ccw(c5216.26,3090) SWD.3@5275.47,3090 ; 5258.13,3048.13 cw(c5300,3006.26) SWD.3@5300,3065.47 ; 5258.13,3048.13 ccw(c5216.26,3090) SWD.3@5275.47,3090 ; 5258.13,3048.13 cw(c5300,3006.26) SWD.3@5300,3065.47 ; 5258.13,3048.13 ccw(c5216.26,3090) SWD.3@5275.47,3090 ; 5258.13,3048.13 cw(c5300,3006.26) SWD.3@5300,3065.47 ; 5258.13,3048.13 ccw(c5216.26,3090) SWD.3@5275.47,3090 ; 5258.13,3048.13 cw(c5300,3006.26) SWD.3@5300,3065.47 ; 5258.13,3048.13 ccw(c5216.26,3090) SWD.3@5275.47,3090 ; 5258.13,3048.13 ccw(c5216.26,3090) SWD.3@5275.47,3090 ; 5258.13,3048.13 cw(c5300,3006.26) SWD.3@5300,3065.47 ; 5275.2,3065.2 cw(c5300,3040.4) SWD.3@5300,3075.47 ; 5275.2,3065.2 ccw(c5250.4,3090) SWD.3@5285.47,3090 ; 5275.2,3065.2 cw(c5300,3040.4) SWD.3@5300,3075.47 ; 5275.2,3065.2 ccw(c5250.4,3090) SWD.3@5285.47,3090 ; 5275.2,3065.2 cw(c5300,3040.4) SWD.3@5300,3075.47 ; 5275.2,3065.2 ccw(c5250.4,3090) SWD.3@5285.47,3090 ; 5275.2,3065.2 cw(c5300,3040.4) SWD.3@5300,3075.47 ; 5275.2,3065.2 ccw(c5250.4,3090) SWD.3@5285.47,3090 ; 5275.2,3065.2 cw(c5300,3040.4) SWD.3@5300,3075.47 ; 5275.2,3065.2 ccw(c5250.4,3090) SWD.3@5285.47,3090 ; 5275.2,3065.2 ccw(c5250.4,3090) SWD.3@5285.47,3090 ; 5275.2,3065.2 cw(c5300,3040.4) SWD.3@5300,3075.47
TXD2: U11.25